# KiCad board VNA.kicad_pcb (continued)
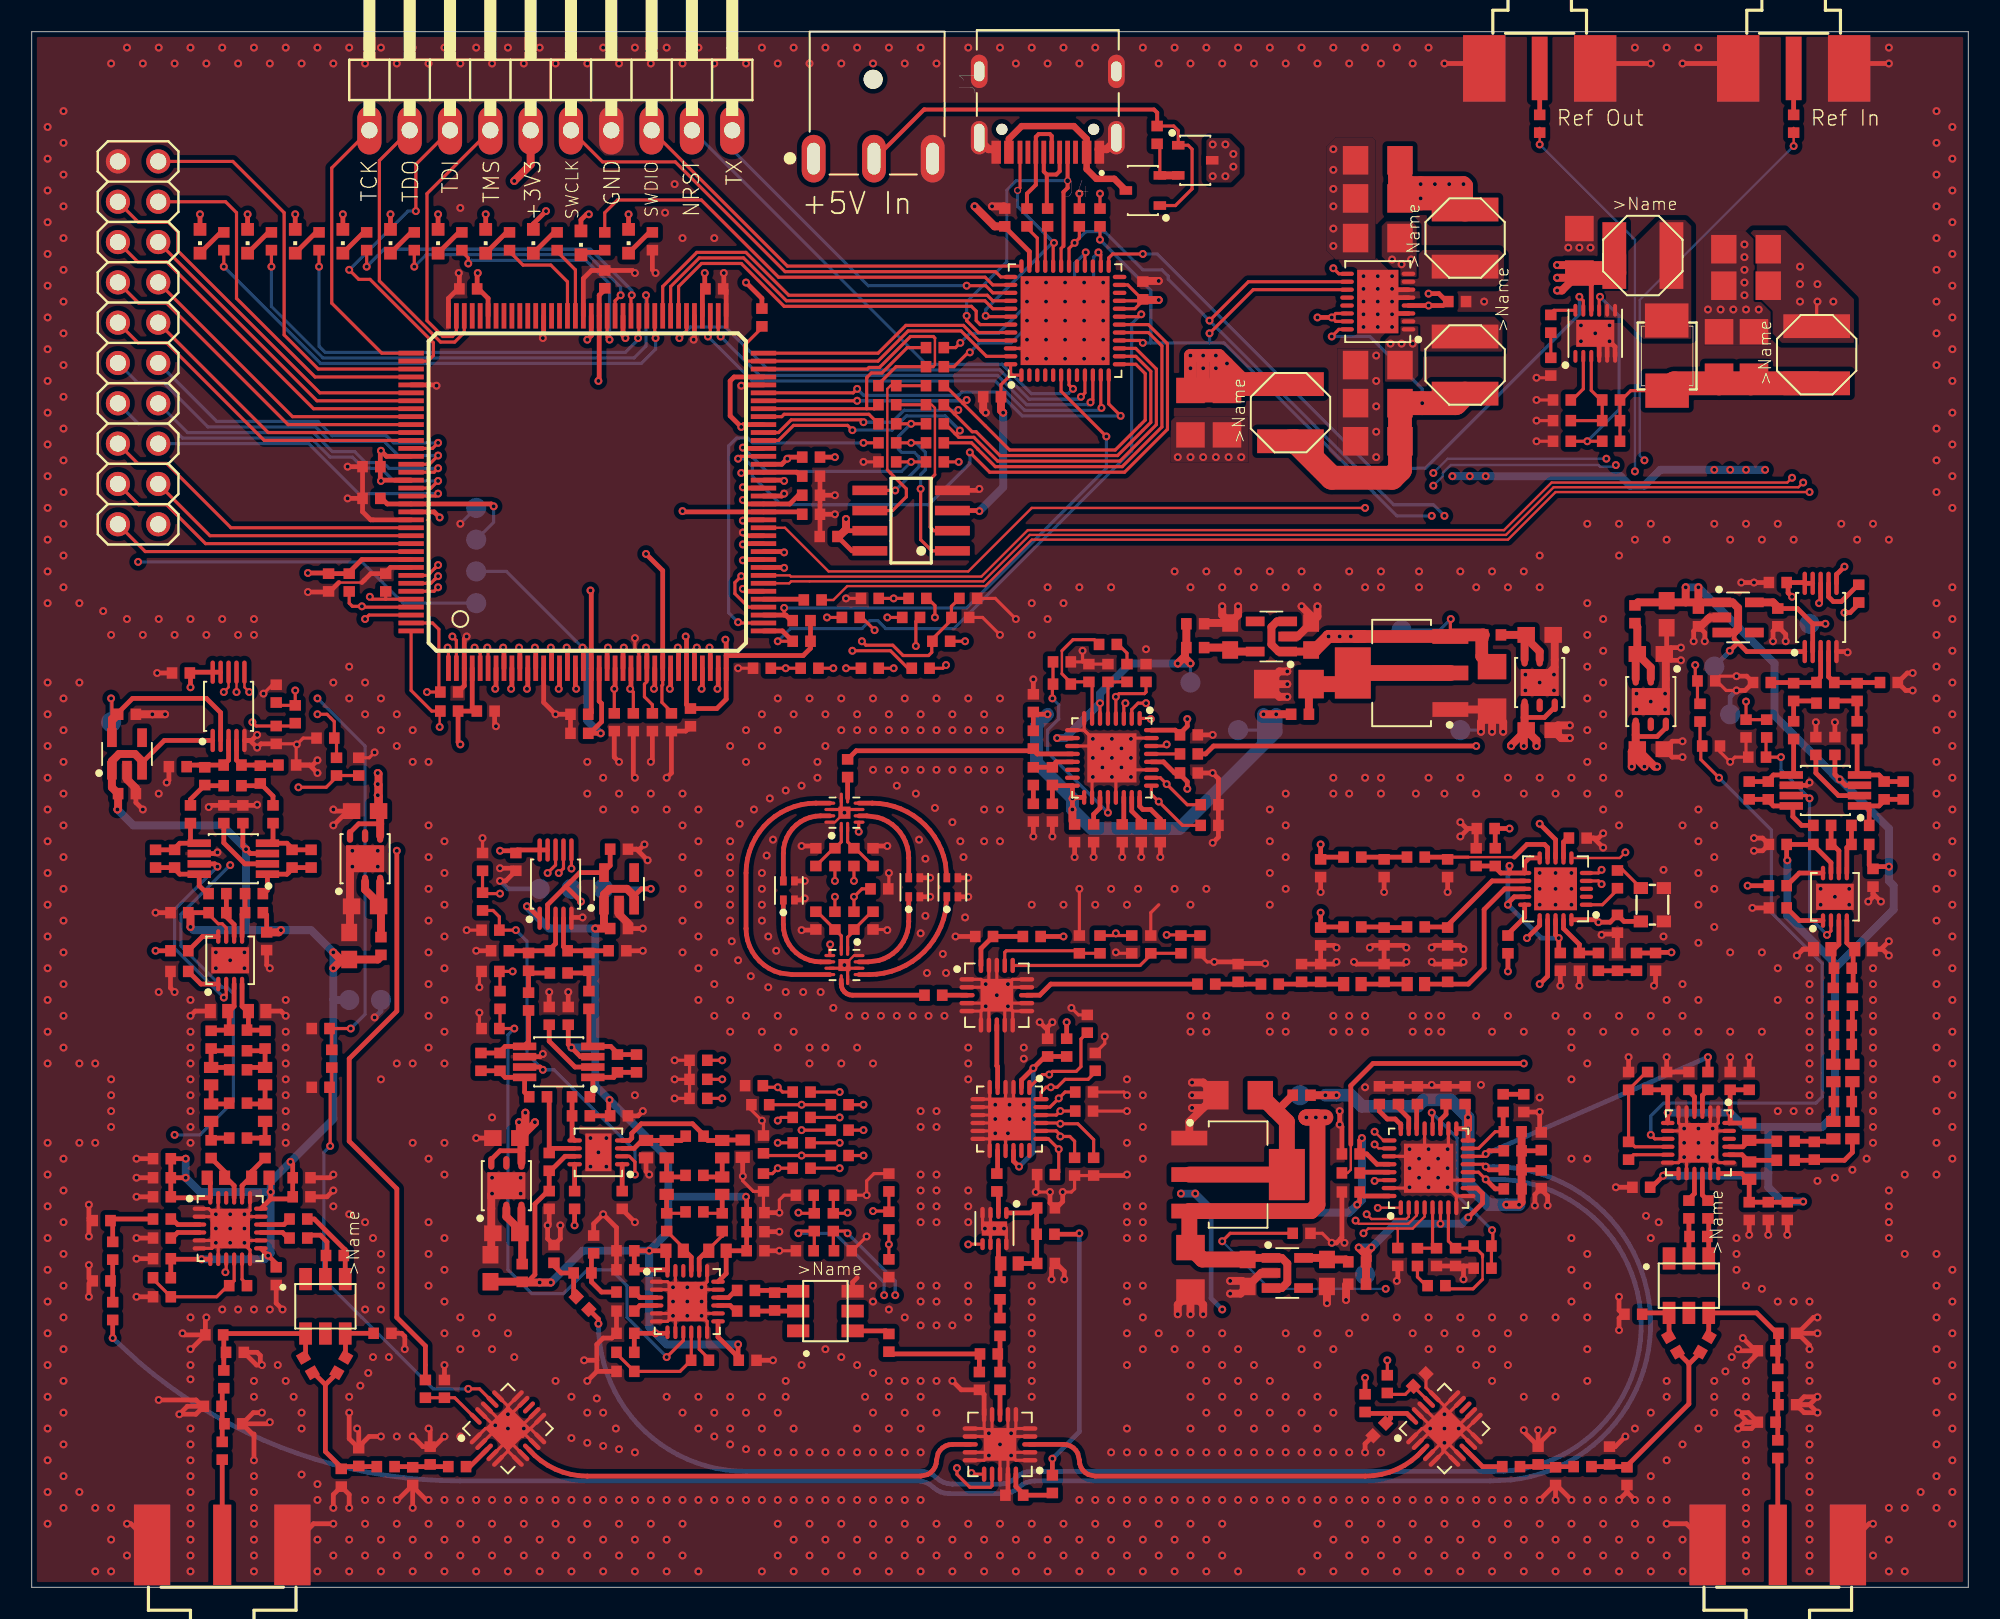
[diagram p0: board, top side]
## Routing (per net, layer and track width the routed paths; a pad name or vN(x,y) marks a point on that pad's centre or on a via; arc(x,y) is an arc through that point) (continued)
Net-(C81-Pad1): length 2.9
  1_top w0.5: IC20.5 81.5,20.75 C81.1 82.79,20.65 L29.1
Net-(C82-Pad1): length 13.4
  1_top w0.5: L28.1 78.54,30.1 78.3,30.1
  1_top w1: IC19.2 IC19.4 79.07,29.33 C82.1
Net-(C85-Pad1): length 36.6
  1_top w0.2: C85.1 90.3,30.35 90.49,30.16
  1_top w0.3: IC21.16 v1(90.49,28.9) 90.49,29 ; 90.49,29 v1(90.49,29.6) 90.49,30.16 ; 90.49,29 90.37,28.89 IC21.17 ; R33.2 R32.2 ; R33.2 R34.2 ; R33.2 95.06,26.3 C91.1 ; R34.2 R35.2 ; R34.2 95.06,27.5 C94.1
  1_top w0.5: L28.2 v1(81.5,31) v1(82.2,31) ; 90.49,29 v1(90.49,28.9) v1(90.49,29.6) ; R35.2 R34.2 R33.2 R32.2 93.86,24.26 v1(93.7,24.1) v1(92.9,24.1)
  4_bot w0.3: TP16.TP v1(81.5,31)
  4_bot w0.8: v1(81.5,31) v1(82.2,31) 83.1,31 83.8,30.3 87.3,30.3 87.7,30.7 89.39,30.7 v1(90.49,29.6) v1(90.49,28.9) 90.49,25.41 91.8,24.1 v1(92.9,24.1) v1(93.7,24.1)
Net-(C86-Pad1): length 16.9
  1_top w0.2: IC21.6 v1(88.75,22.9)
  1_top w0.3: IC21.10 91.05,25.15 91.4,24.8 91.4,24.2 v1(90.5,23.3)
  1_top w0.5: C86.1 L29.2 84.15,20.59 ; v1(83.6,21.4) 84.15,20.85 84.15,20.59 ; 84.15,20.59 84.15,21.15 v1(84.4,21.4)
  4_bot w0.3: TP15.TP 84,21.3 84.1,21.4
  4_bot w0.5: v1(90.5,23.3) 90.1,22.9 v1(88.75,22.9) 85.9,22.9 v1(84.4,21.4) v1(83.6,21.4)
Net-(C87-Pad1): length 2.4
  1_top w0.3: IC21.24 86.25,29.15 85.9,29.5 85.4,29.5 84.9,30 C87.1
Net-(C88-Pad1): length 1.7
  1_top w0.3: IC21.19 88.75,29.45 89.1,29.8 C88.1
Net-(C89-Pad1): length 1.8
  1_top w0.3: IC21.23 86.75,29.55 86.1,30.2 C89.1
Net-(C90-Pad1): length 8.9
  1_top w0.15: 91.4,19.4 91.4,20.8
  1_top w0.2: 91.4,19.4 90.8,18.8 89.35,18.8 89.15,19 C92.1 ; IC21.7 89.25,21.81 C90.1 90.7,21.36 R36.1 91.4,20.94 91.4,20.8
Net-(C92-Pad2): length 1.6
  1_top w0.2: R37.1 87.3,19.55 87.85,19 C92.2
Net-(C93-Pad1): length 1.3
  1_top w0.3: C93.1 R38.2
Net-(C93-Pad2): length 3.9
  1_top w0.2: IC21.15 91.15,27.65 92.2,28.7 R35.1 92.74,28.71 92.7,28.75
  1_top w0.3: 92.7,28.75 C93.2
Net-(C95-Pad2): length 12.5
  1_top w0.2: IC21.20 88.25,29.85 v1(88.2,29.9) ; C95.2 R36.2 92.05,21.59 92.05,22.45 v1(92,22.5)
  4_bot w0.2: v1(92,22.5) 91,23.5 91,23.51 90.71,23.8 90.7,23.8 89.8,24.7 89.8,28.3 v1(88.2,29.9)
Net-(C96-Pad2): length 3.6
  1_top w0.3: C96.2 25.1,7.6 ; 25.1,7.6 24.1,7.6 ; 25.1,7.6 R41.2 ; 24.1,7.6 R42.2 ; 24.1,7.6 24.04,7.6 R40.1
Net-(C97-Pad2): length 2.2
  1_top w0.3: C97.2 10.66,38 IC22.1
Net-(C98-Pad2): length 2.3
  1_top w0.3: C98.2 10.76,41 IC22.8
Net-(C99-Pad1): length 5.4
  1_top w0.3: J2.1 C99.1
Net-(C99-Pad2): length 3.6
  1_top w0.3: C99.2 12,10.3 ; 12,10.3 12,11.4 ; 12,10.3 R51.1 ; 12,11.4 12,12.45 12.09,12.54 R49.1 ; 12,11.4 R47.2
Net-(C100-Pad1): length 2.9
  1_top w0.3: IC22.6 12.75,41.75 12.26,42.24 R53.2 C100.1
Net-(C100-Pad2): length 4.5
  1_top w0.3: C112.1 R55.1 9,45.25 9.33,44.93 IC23.8 10.55,44.2 11.05,43.7 C100.2
Net-(C101-Pad1): length 2.8
  1_top w0.3: IC22.5 13.25,42.4 13.35,42.5 R54.2 C101.1
Net-(C101-Pad2): length 4.5
  1_top w0.2: C101.2 14.76,43.9 14.85,43.9
  1_top w0.3: C113.2 R56.2 16.4,45.25 16.18,45.03 ; 16.08,44.93 16.18,45.03 ; 16.08,44.93 IC23.1 14.85,43.9 ; 16.08,44.93 16.18,45.03
Net-(C107-Pad1): length 5.2
  1_top w0.3: C110.1 17.8,23.2 19.7,21.3 ; 19.75,21.25 19.7,21.3 ; 19.75,21.25 19.75,20.9 ; 19.75,21.25 19.7,21.3 ; T1.3 19.75,20.9 ; 19.75,20.9 C107.1
Net-(C107-Pad2): length 3.9
  1_top w0.3: T1.2 18.5,20.85 18.54,20.89 ; C107.2 18.54,20.89 ; C107.2 18.54,20.89 ; C107.2 18.54,20.99 18.6,21.05 18.6,21.76 18.18,22.18 17.63,22.18 17.45,22 C109.1
Net-(C109-Pad2): length 2
  1_top w0.3: IC24.15 15.8,22.35 16.15,22 C109.2
Net-(C110-Pad2): length 2
  1_top w0.3: C110.2 15.89,22.85 IC24.16
Net-(C112-Pad2): length 4.2
  1_top w0.3: C112.2 R55.2 9,46.55 9.33,46.88 10,46.88 ; IC23.5 10,46.88 ; 10,46.88 R58.2
Net-(C113-Pad1): length 4.3
  1_top w0.3: C113.1 R56.1 16.4,46.55 16.08,46.88 15,46.88 ; IC23.4 15,46.88 ; 15,46.88 15.2,47.08 R59.2
Net-(C114-Pad1): length 4.1
  1_top w0.3: C114.1 5.15,23.2 5.05,23.1 R169.1 5.1,22.96 R168.1
Net-(C114-Pad2): length 2
  1_top w0.3: IC24.3 9.2,22.85 8.85,23.2 C114.2
Net-(C116-Pad1): length 4.5
  1_top w0.3: IC23.2 13.43,45.58 12.1,46.9 C116.1
Net-(C117-Pad1): length 2
  1_top w0.3: IC24.4 9.2,22.35 8.85,22 C117.1
Net-(C118-Pad2): length 7.5
  1_top w0.2: R60.2 7.64,19.42 C118.2 11.65,18.3 12.35,19 ; 12.35,19 R57.1 ; 12.35,19 R57.1 ; R57.1 12.75,19.31 IC24.10
Net-(C120-Pad1): length 3.2
  1_top w0.3: 13.25,24.53 13.25,25.3 13.75,25.8 L32.2 13.85,26.19 C120.1
Net-(C120-Pad2): length 2.3
  1_top w0.3: C120.2 14.7,28.3 ; 14.7,28.3 L34.1 ; 14.7,28.3 C124.1
Net-(C121-Pad1): length 2.9
  1_top w0.3: C121.1 10.94,50.5 R61.2 10,49.64 R58.1
Net-(C121-Pad2): length 3
  1_top w0.3: C121.2 14.35,50.5 14.4,50.55 R62.2 15.2,49.84 R59.1
Net-(C123-Pad1): length 3.2
  1_top w0.3: 12.75,24.53 12.75,25.3 12.25,25.8 ; 12.25,25.8 L33.2 ; 12.25,25.8 12.25,26.09 C123.1
Net-(C123-Pad2): length 2.4
  1_top w0.2: C123.2 11.35,28.21 11.35,28.3
  1_top w0.3: C123.2 L35.1 ; 11.35,28.3 C124.2
Net-(C125-Pad2): length 4.2
  1_top w0.3: 10.9,51.8 C126.1 12.4,52.11 IC26.3 ; 10.9,51.8 9.95,51.8 9.85,51.7 C125.2 ; 10.9,51.8 R61.1
Net-(C126-Pad2): length 4
  1_top w0.3: 14.4,51.8 C126.2 12.9,52.11 IC26.4 ; 14.4,51.8 C127.1 ; 14.4,51.8 R62.1
Net-(C128-Pad1): length 2.4
  1_top w0.2: C128.1 13.75,30.5 13.8,30.45
  1_top w0.3: L36.1 L34.2 13.8,30.45
Net-(C128-Pad2): length 2.4
  1_top w0.2: C128.2 12.39,30.55 12.3,30.55
  1_top w0.3: L37.1 L35.2 12.2,30.45 12.3,30.55
Net-(C130-Pad1): length 3.6
  1_top w0.2: C130.1 13.65,32.6 13.8,32.75
  1_top w0.3: 13.8,32.75 L36.2 R64.2 14.56,33.8 R63.2
Net-(C130-Pad2): length 3.6
  1_top w0.2: C130.2 12.35,32.6 12.2,32.75 ; R65.2 11.3,33.85 11.35,33.8
  1_top w0.3: R65.2 L37.2 12.2,32.75 ; 11.35,33.8 R63.1
Net-(C131-Pad1): length 14.7
  1_top w0.2: IC25.5 5.05,55.95 v1(5,56)
  1_top w0.3: IC26.2 11.9,55.1 11,56 6.35,56 5.44,55.09 C131.1
  1_top w0.5: IC25.5 5.05,54.7 5.14,54.7 C131.1
  4_bot w0.2: v1(5,56) TP17.TP
Net-(C133-Pad2): length 3.6
  1_top w0.3: C133.2 94.9,7.6 ; 94.9,7.6 95.9,7.6 ; 94.9,7.6 R67.1 ; 95.9,7.6 R69.2 ; 95.9,7.6 95.94,7.56 R68.2
Net-(C134-Pad2): length 2.6
  1_top w0.3: C134.2 111.36,42 IC27.1
Net-(C135-Pad2): length 2.6
  1_top w0.3: C135.2 111.36,45 IC27.8
Net-(C136-Pad1): length 5.5
  1_top w0.3: J3.1 C136.1
Net-(C136-Pad2): length 3.6
  1_top w0.3: C136.2 110,10.4 ; 110,10.4 110,11.4 ; 110,10.4 R74.2 ; 110,11.4 R77.1 ; 110,11.4 110.04,11.44 R78.1
Net-(C137-Pad1): length 3.3
  1_top w0.3: IC27.6 113.85,46.4 113.45,46.8 R80.2 C137.1
Net-(C137-Pad2): length 5.1
  1_top w0.3: R82.1 C149.1 109.4,49.55 109.73,49.23 IC28.8 110.95,49.13 110.95,48.55 111.5,48 C137.2
Net-(C138-Pad1): length 3.2
  1_top w0.3: IC27.5 114.35,46.6 114.55,46.8 R81.2 C138.1
Net-(C138-Pad2): length 5.2
  1_top w0.3: IC28.1 115.7,49.23 ; IC28.1 115.7,49.23 ; IC28.1 115.52,49.23 115.76,48.98 C138.2 ; 115.7,49.23 116.38,49.23 116.7,49.55 R83.2 C150.2
Net-(C144-Pad1): length 2.6
  1_top w0.3: T2.3 105.65,22.1 ; 105.65,22.1 105.65,23.1 105.6,23.15 C147.1 ; 105.65,22.1 C144.1
Net-(C144-Pad2): length 2.6
  1_top w0.3: T2.2 104.4,22.1 ; 104.4,22.1 C146.1 ; 104.4,22.1 C144.2
Net-(C146-Pad2): length 1.9
  1_top w0.3: IC29.15 104.75,24.8 104.4,24.45 C146.2
Net-(C147-Pad2): length 1.9
  1_top w0.3: C147.2 105.25,24.71 IC29.16
Net-(C149-Pad2): length 5.2
  1_top w0.3: R82.2 C149.2 109.4,50.85 109.73,51.18 IC28.5 111,51.32 R85.2
Net-(C150-Pad1): length 5.3
  1_top w0.3: C150.1 R83.1 116.7,50.85 116.38,51.18 IC28.4 115,51.32 R86.2
Net-(C151-Pad2): length 1.6
  1_top w0.3: C151.2 105.25,30.99 IC29.3
Net-(C153-Pad1): length 4.5
  1_top w0.3: IC28.2 113.83,49.88 112.4,51.3 C153.1
Net-(C154-Pad1): length 1.6
  1_top w0.3: IC29.4 104.75,30.9 104.4,31.25 C154.1
Net-(C155-Pad2): length 7.6
  1_top w0.2: IC29.10 101,27.75 100.65,28.1 100.6,28.1 ; R84.1 100.6,28.1 ; 100.6,28.1 C155.2 101.72,32.46 R87.2
Net-(C157-Pad1): length 3.2
  1_top w0.3: IC29.20 107.75,27.25 L40.2 108.3,26.9 C157.1
Net-(C157-Pad2): length 4.7
  1_top w0.3: C157.2 112.3,26.9 ; 112.3,26.9 114.2,26.9 114.7,27.4 L42.1 ; 112.3,26.9 C161.1
Net-(C158-Pad1): length 2.8
  1_top w0.3: R85.1 R88.2 112.3,55.84 C158.1
Net-(C158-Pad2): length 2.8
  1_top w0.3: R86.1 R89.2 113.7,55.84 C158.2
Net-(C160-Pad1): length 3.4
  1_top w0.3: IC29.21 107.8,27.75 108.12,28.08 ; 108.12,28.08 L41.2 ; 108.12,28.08 108.15,28.1 109.8,28.1 ; 109.8,28.1 C160.1 109.8,28.1
Net-(C160-Pad2): length 2.6
  1_top w0.3: C160.2 112.3,28.1 ; 112.3,28.1 113.45,28.1 113.45,28.2 L43.1 ; 112.3,28.1 C161.2
Net-(C162-Pad2): length 5
  1_top w0.3: C162.2 111,57 ; 111,57 C163.1 112.44,57.09 112.7,57.35 IC31.3 ; 111,57 R88.1
Net-(C163-Pad2): length 5
  1_top w0.3: 115,57 C163.2 113.2,57.36 IC31.4 ; 115,57 C164.1 ; 115,57 R89.1
Net-(C165-Pad1): length 2.5
  1_top w0.3: L42.2 114.7,30.6 ; 114.7,30.6 L44.1 ; 114.7,30.6 C165.1
Net-(C165-Pad2): length 2.6
  1_top w0.3: L43.2 113.5,30.5 ; 113.5,30.5 L45.1 ; 113.5,30.5 113.5,30.56 C165.2
Net-(C167-Pad1): length 3.8
  1_top w0.3: L44.2 114.7,34.2 ; 114.7,34.2 114.7,35.4 ; 114.7,34.2 C167.1 ; 114.7,35.4 R91.2 ; 114.7,35.4 R90.2
Net-(C167-Pad2): length 3.8
  1_top w0.3: L45.2 113.5,34.2 ; 113.5,34.2 113.5,35.4 ; 113.5,34.2 C167.2 ; 113.5,35.4 R92.2 ; 113.5,35.4 R90.1
Net-(C168-Pad1): length 7.8
  1_top w0.3: IC31.2 112.2,60.7 ; 112.2,60.7 v1(113,60.7) ; 112.2,60.7 111.24,61.66 C168.1
  1_top w0.5: IC30.5 109.7,62.05 110,61.75 C168.1
  4_bot w0.3: TP18.TP v1(113,60.7)
Net-(C170-Pad2): length 2.4
  1_top w0.3: T3.6 53.81,16.15 C170.2
Net-(C173-Pad1): length 4.3
  1_top w0.3: C173.1 R94.1 29.5,32.45 29.83,32.12 IC32.8 31.05,31.19 C202.2
Net-(C173-Pad2): length 5.4
  1_top w0.3: IC32.5 31,34.08 ; 31,34.08 29.83,34.08 29.5,33.75 R94.2 C173.2 ; 31,34.08 31.3,34.38 R96.2
Net-(C174-Pad1): length 5.5
  1_top w0.3: C174.1 R95.1 36.9,33.65 36.48,34.08 IC32.4 35.25,34.08 35.1,34.23 R97.2
Net-(C174-Pad2): length 4.3
  1_top w0.3: C174.2 R95.2 36.68,32.22 36.68,32.12 IC32.1 35.35,31 35.26,31 C203.2
Net-(C176-Pad1): length 2.9
  1_top w0.3: T3.3 48.23,18.7 46.8,18.7 ; 46.8,18.7 C179.1 ; 46.8,18.7 C176.1
Net-(C176-Pad2): length 2.8
  1_top w0.3: T3.2 46.8,17.4 ; 46.8,17.4 C178.1 ; 46.8,17.4 C176.2
Net-(C178-Pad2): length 1.4
  1_top w0.3: IC33.15 44,17.75 44.35,17.4 C178.2
Net-(C179-Pad2): length 1.4
  1_top w0.3: IC33.16 43.9,18.25 44.35,18.7 C179.2
Net-(C182-Pad1): length 4.5
  1_top w0.3: IC32.2 34.23,32.78 32.6,34.4 C182.1
Net-(C183-Pad1): length 3.7
  1_top w0.3: C183.1 35.9,18.6 35.26,19.24 R173.1 35.26,20.9 R174.1
Net-(C183-Pad2): length 1.6
  1_top w0.3: C183.2 38.31,18.25 IC33.3
Net-(C184-Pad1): length 3.1
  1_top w0.3: R96.1 31.3,38.7 ; 31.3,38.7 R98.2 ; 31.3,38.7 R98.2 ; 31.3,38.7 R98.2 ; R98.2 31.35,38.79 31.35,38.7 C184.1
Net-(C184-Pad2): length 2.7
  1_top w0.3: R97.1 R99.2 35.05,38.79 35.05,38.7 C184.2
Net-(C185-Pad1): length 1.6
  1_top w0.3: C185.1 38.31,17.75 IC33.4
Net-(C186-Pad2): length 7.3
  1_top w0.2: IC33.10 41.55,14.31 R100.1 40.84,13.6 C186.2 36.85,14.71 36.85,14.8 R101.2
Net-(C187-Pad2): length 4.9
  1_top w0.3: C187.2 31.3,40.1 ; 31.3,40.1 C188.1 32.64,40.19 33,40.55 IC35.3 ; 31.3,40.1 R98.1
Net-(C188-Pad2): length 4.9
  1_top w0.3: 35.1,40.1 C188.2 33.5,40.36 IC35.4 ; 35.1,40.1 C189.1 ; 35.1,40.1 R99.1
Net-(C191-Pad1): length 3.2
  1_top w0.2: L46.2 42.65,21.3 43.5,22.15
  1_top w0.3: 42.05,19.93 42.05,20.7 42.55,21.2 L46.2 ; 43.5,22.15 C191.1
Net-(C191-Pad2): length 2.4
  1_top w0.2: C191.2 42.4,23.56 C194.1
  1_top w0.3: C191.2 L48.1
Net-(C192-Pad1): length 3.4
  1_top w0.2: 41.05,21.3 L47.2 41.05,21.39 C192.1
  1_top w0.3: 41.55,19.93 41.55,20.8 41.05,21.3 41.05,21.39
Net-(C192-Pad2): length 2.4
  1_top w0.2: C192.2 41.1,23.56 C194.2
  1_top w0.3: C192.2 L49.1
Net-(C196-Pad1): length 2.4
  1_top w0.3: L50.1 L48.2 42.5,25.85 42.4,25.95 C196.1
Net-(C196-Pad2): length 2.4
  1_top w0.3: L51.1 L49.2 41.09,25.85 C196.2
Net-(C197-Pad1): length 8.7
  1_top w0.3: L52.1 43.53,28.18 L50.2 42.59,28.15 C197.1 42.32,28.51 41.63,29.2 38.4,29.2 37.8,28.6 37.8,28.3 37.65,28.15 IC36.4
Net-(C197-Pad2): length 4.5
  1_top w0.3: L53.1 38.9,28.15 ; 38.9,28.15 L51.2 40.93,28.15 C197.2 ; 38.9,28.15 38.45,28.15 37.95,27.65 IC36.3
Net-(C198-Pad1): length 9.3
  1_top w0.3: IC35.2 32.5,43 33.65,44.15 ; 36,45.02 34.52,45.02 33.65,44.15 ; 36,45.02 IC34.5 ; 36,45.02 36.44,45.46 C198.1 ; 33.65,44.15 v1(34.6,43.2)
  4_bot w0.3: TP19.TP 34,43.8 v1(34.6,43.2)
Net-(C199-Pad2): length 1.7
  1_top w0.3: IC36.1 37.2,25.05 37.2,25.05 C199.2
Net-(C200-Pad2): length 1.7
  1_top w0.3: IC36.8 34.2,26.65 C200.2
Net-(C202-Pad1): length 5.4
  1_top w0.3: IC36.6 32.8,27.65 32.8,27.56 R102.2 32.6,30.76 C202.1
Net-(C203-Pad1): length 2.8
  1_top w0.3: C203.1 R103.2 34.04,28.31 IC36.5
Net-(C223-Pad1): length 24.9
  1_top w0.2: U2.P143 25.25,60.75 25.65,60.35 25.65,56.49 R133.2 v1(24.9,56.4) ; C223.1 R143.2 28.46,43.7 v1(29.5,43.7)
  3_pwr w0.15: v1(29.5,43.7) 30.6,44.8 30.6,47.65 29.18,49.08 29.18,52.35 25.13,56.4 v1(24.9,56.4)
Net-(C225-Pad1): length 28.7
  1_top w0.15: 25.7,55.15 v1(25.7,54.2)
  1_top w0.2: R132.1 25.2,55.2 23.9,56.5 U2.P144 ; 29.5,38.75 R144.1 ; C225.1 v1(30.3,38.8)
  1_top w0.3: C225.1 29.5,38.76 29.5,38.75 ; R132.1 25.74,55.19 25.7,55.15
  3_pwr w0.15: v1(30.3,38.8) 30.3,40.4 29,41.7 29,45.5 29.3,45.8 30,45.8 30.3,46.1 30.3,47.53 28.88,48.95 28.88,52.23 26.9,54.2 25.7,54.2 v1(25.7,54.2)
Net-(C227-Pad1): length 13.7
  1_top w0.2: v1(16.6,56.5) R145.2 15.58,55.56 C227.1 ; U2.P140 22.3,62.25 ; 22.3,62.25 21.45,62.25 v1(21.3,62.4) ; 22.3,62.25 R131.2
  3_pwr w0.2: v1(16.6,56.5) 16.6,58.5 20.5,62.4 v1(21.3,62.4)
Net-(C229-Pad1): length 17
  1_top w0.2: 19.2,53.45 R146.1 ; v1(18,55) 18.6,55 19.06,54.54 C229.1 ; U2.P141 20.85,61.75 v1(20.8,61.8) 20.2,61.8 20,62 R130.1
  1_top w0.3: C229.1 19.15,53.5 19.2,53.45
  3_pwr w0.2: v1(18,55) 17.3,55.7 17.3,58.4 20.7,61.8 v1(20.8,61.8)
Net-(C232-Pad1): length 83.7
  1_top w0.2: R147.1 C232.1 v1(108,55.8)
  1_top w0.3: v1(44.7,70.2) 44.75,70.25 U2.P57 48.2,70.25 48.45,70 R122.2
  3_pwr w0.15: v1(108,55.8) 108,62 106.9,63.1 106.9,65.4 102.2,70.1 102.2,71.17 101.77,71.6 99.7,71.6 v1(99.2,71.1) ; v1(44.7,70.2) 46.2,71.7 49.1,71.7 50.6,70.2 v1(88.3,70.2)
  4_bot w0.15: v1(88.3,70.2) 89.2,71.1 v1(99.2,71.1)
Net-(C234-Pad1): length 74.7
  1_top w0.2: 104.8,57.15 v1(104.8,58.1) ; R148.2 104.94,55.82 C234.1
  1_top w0.3: U2.P58 47.25,70.75 v1(47.6,71.1) 47.7,71.2 R121.1 ; C234.1 104.85,57.1 104.8,57.15
  3_pwr w0.15: v1(104.8,58.1) 105.9,59.2 105.9,64.55 100.95,69.5 100.58,69.5 99.8,70.28 v1(99.8,70.7) ; v1(47.6,71.1) 48.9,69.8 87.9,69.8 v1(88.3,69.4)
  4_bot w0.15: v1(88.3,69.4) 88.9,70 88.9,70.2 89.4,70.7 98.7,70.7 98.8,70.6 99.7,70.6 v1(99.8,70.7)
Net-(C236-Pad1): length 3.3
  1_top w0.2: R149.1 85.49,12.15 86.53,12.15 C236.1 IC17.17
Net-(C238-Pad1): length 26.9
  1_top w0.2: IC16.17 60.5,6.4 60.4,6.3 59.1,6.3 58.29,7.11 v1(58.29,7.51) ; v1(48.3,22.3) 48.44,22.44 R150.1 49.3,21.24 C238.1
  3_pwr w0.15: v1(58.29,7.51) 56.5,9.3 55.7,9.3 54.5,10.5 54.5,14.9 53.5,15.9 53.5,18.2 v1(53.7,18.4)
  4_bot w0.2: v1(48.3,22.3) 50.6,22.3 53.7,19.2 v1(53.7,18.4)
Net-(C240-Pad1): length 21.4
  1_top w0.2: IC16.16 59.28,7.12 v1(59.2,7.2) ; v1(51.4,22.3) 51.26,22.44 R151.1 50.5,21.24 C240.1
  3_pwr w0.15: v1(59.2,7.2) 59.2,7.6 55.5,11.3 55.5,15.4 54.5,16.4 54.5,18.3 v1(54.4,18.4)
  4_bot w0.2: v1(51.4,22.3) 54.4,19.3 v1(54.4,18.4)
Net-(C242-Pad1): length 27.4
  1_top w0.2: IC18.17 28.21,12.5 v1(27.5,12.5) ; R152.1 18.9,31.64 C242.1 18.8,31.46 v1(18.8,27.8)
  4_bot w0.2: v1(27.5,12.5) 25.29,12.5 23,14.79 23,14.8 20.8,17 20.79,17 18.4,19.39 18.4,27.4 v1(18.8,27.8)
Net-(C244-Pad1): length 7.8
  1_top w0.2: C244.1 v1(54,21.6) R153.1 ; IC15.5 59.02,21.62 v1(59,21.6)
  3_pwr w0.15: v1(54,21.6) v1(59,21.6)
Net-(C246-Pad1): length 6.9
  1_top w0.2: IC13.17 61.3,40 61.4,40.1 65.84,40.1 C246.1 R154.1
Net-(C248-Pad1): length 11
  1_top w0.2: IC13.16 69.83,39.18 70.5,39.85 C248.1 R155.1
Net-(C250-Pad1): length 22.2
  1_top w0.2: IC14.1 63.67,32.3 v1(64.1,32.3) 64.3,32.5 65.8,32.5 66.1,32.8 66.1,34.54 C250.1 ; R156.1 v1(50.9,31.2)
  3_pwr w0.15: v1(50.9,31.2) 53.8,31.2 54.5,30.5 58.8,30.5 60.2,31.9 63.7,31.9 v1(64.1,32.3)
Net-(C252-Pad1): length 18.5
  1_top w0.2: IC14.24 63.58,31.18 63.9,31.5 v1(64.2,31.5) 64.6,31.5 65.1,32 66.55,32 67,32.45 C252.1 ; R157.1 v1(52.4,30.4)
  3_pwr w0.15: v1(52.4,30.4) 54.18,30.4 55.1,29.48 58.2,29.48 60.32,31.6 64.1,31.6 v1(64.2,31.5)
Net-(C254-Pad1): length 20.1
  1_top w0.2: IC14.23 64.15,30.25 v1(64.7,30.8) 65.1,31.2 C254.1 ; R158.1 v1(50.9,29.6)
  3_pwr w0.15: v1(50.9,29.6) 54.5,29.6 55.7,28.4 57.55,28.4 60.45,31.3 63,31.3 63.5,30.8 v1(64.7,30.8)
Net-(C256-Pad1): length 17.5
  1_top w0.2: IC14.22 64.55,29.75 v1(64.8,30) C256.1 ; R159.1 v1(52.4,28.8)
  3_pwr w0.15: v1(52.4,28.8) 54.88,28.8 55.58,28.1 57.67,28.1 60.57,31 62.8,31 63.8,30 v1(64.8,30)
Net-(C257-Pad1): length 19.3
  1_top w0.2: IC14.19 64.05,28.25 v1(64.7,27.6) 64.7,26.15 64.61,26.15 C257.1 ; R160.2 v1(50.9,26.4)
  3_pwr w0.15: v1(50.9,26.4) 52.4,26.4 53.2,27.2 64.3,27.2 v1(64.7,27.6)
Net-(C259-Pad1): length 17.3
  1_top w0.2: IC14.20 64.54,28.75 64.8,28.49 v1(64.8,28.4) 65.4,28.4 65.7,28.1 C259.1 ; R161.2 v1(52.4,27.2)
  3_pwr w0.15: v1(52.4,27.2) 52.7,27.5 61.72,27.5 62.62,28.4 v1(64.8,28.4)
Net-(C261-Pad1): length 21.3
  1_top w0.2: IC14.21 64.75,29.25 v1(64.8,29.2) 65.9,29.2 66.9,28.2 C261.1 ; R162.2 v1(50.9,28)
  3_pwr w0.15: v1(50.9,28) 51.1,27.8 61.6,27.8 63,29.2 v1(64.8,29.2)
Net-(C268-Pad1): length 15.9
  1_top w0.2: IC10.4 v1(68.3,56.1) 68.5,56.3 70.1,56.3 70.2,56.4 C268.1 ; R163.1 v1(58.8,59.6)
  3_pwr w0.15: v1(58.8,59.6) 59.6,59.6 62.5,56.7 67.7,56.7 v1(68.3,56.1)
Net-(C269-Pad2): length 2.9
  1_top w0.2: R172.1 5,19.3 5.1,19.2
  1_top w0.3: C269.2 R168.2
Net-(C270-Pad2): length 3.2
  1_top w0.3: C270.2 34.15,18.45 34.14,18.45 R173.2 33.35,19.8 32.9,20.25 R175.1
Net-(C272-Pad1): length 27.3
  1_top w0.2: IC10.26 71.1,51 v1(71.5,50.6) 72.8,49.3 C272.1 ; v1(56.9,61.1) 56.9,61.85 56.45,62.3 R165.1
  3_pwr w0.15: v1(71.5,50.6) 72,51.1 72,54.7 70.2,56.5 69.02,56.5 68.22,57.3 64.42,57.3 63.62,58.1 61.95,58.1 59.65,60.4 57.6,60.4 v1(56.9,61.1)
Net-(C274-Pad1): length 29.8
  1_top w0.2: IC10.25 70.54,49.96 v1(71,49.5) 72.5,48 C274.1 ; R166.1 v1(50.5,57.9)
  3_pwr w0.15: v1(50.5,57.9) 51,58.4 51.6,58.4 53.5,56.5 59.4,56.5 65.2,50.7 65.4,50.7 66.6,49.5 v1(71,49.5)
Net-(IC1-Pad9): length 13.3
  1_top w0.2: 98.75,80.45 98.75,81.25 v1(98.8,81.3) ; R3.2 v1(98,72.2) R2.1
  4_bot w0.2: v1(98,72.2) 100,74.2 100,80.1 v1(98.8,81.3)
Net-(IC1-Pad12): length 1.7
  1_top w0.2: 97.25,80.45 95.9,80.45 95.9,80.36 R1.2
Net-(IC7-Pad7): length 1.4
  1_top w0.3: IC7.7 96.5,46.95 96.75,47.2 R6.2
Net-(IC10-Pad1): length 22
  1_top w0.2: IC10.1 70.46,54.74 v1(70.5,54.7) ; v1(53.1,60.3) 52.3,61.1 R164.1
  3_pwr w0.15: v1(53.1,60.3) 56.3,57.1 60.57,57.1 63.37,54.3 70.1,54.3 v1(70.5,54.7)
Net-(IC10-Pad2): length 20.2
  1_top w0.2: IC10.2 69.3,55.3 69.7,55.7 v1(70.2,55.7) ; R170.1 55.7,60.84 v1(55.7,59.3)
  3_pwr w0.15: v1(70.2,55.7) 69.7,56.2 68.9,56.2 68.1,57 64.3,57 63.5,57.8 61.82,57.8 59.52,60.1 58.5,60.1 57.7,59.3 v1(55.7,59.3)
Net-(IC10-Pad3): length 14.8
  1_top w0.2: IC10.3 68.8,55.6 v1(68.9,55.7) ; R171.1 57.4,57.9 v1(57.6,58.1)
  3_pwr w0.15: v1(57.6,58.1) 60,58.1 62.6,55.5 64.4,55.5 64.7,55.2 68.4,55.2 v1(68.9,55.7)
Net-(IC10-Pad5): length 3.5
  1_top w0.2: IC10.5 R17.1 R16.2
Net-(IC10-Pad22): length 1.7
  1_top w0.3: IC10.22 68.8,48.25 68.7,48.15 R10.2
Net-(IC10-Pad30): length 21.1
  1_top w0.2: IC10.30 71.4,53 v1(71.5,53.1) ; R167.1 v1(54.3,57.9)
  3_pwr w0.15: v1(54.3,57.9) 55.4,56.8 59.52,56.8 62.32,54 69.5,54 70.4,53.1 v1(71.5,53.1)
Net-(IC11-Pad1): length 3.1
  1_top w0.2: R19.1 50.52,46.56 R20.1 51,46.96 IC11.1
Net-(IC11-Pad2): length 3.1
  1_top w0.2: R18.1 51.88,46.56 R21.1 51.4,46.96 IC11.2
Net-(IC11-Pad4): length 5.9
  1_top w0.3: LP2.4 55.25,45.95 55.23,46.3 55.16,46.64 55.05,46.96 54.89,47.28 54.7,47.56 54.47,47.82 54.21,48.05 53.92,48.24 53.61,48.4 53.29,48.51 52.6,48.6 IC11.4
Net-(IC11-Pad6): length 8.2
  1_top w0.3: IC11.6 52.95,49.4 53.41,49.38 53.87,49.31 54.31,49.2 54.75,49.04 55.17,48.84 55.56,48.61 55.93,48.33 56.27,48.02 56.58,47.68 56.86,47.31 57.09,46.92 57.29,46.5 57.45,46.06 57.56,45.62 LP3.4
Net-(IC11-Pad9): length 18.2
  1_top w0.3: IC11.9 49.4,49.4 48.94,49.38 48.49,49.3 48.04,49.18 47.61,49.02 47.2,48.81 46.81,48.56 46.46,48.27 46.13,47.94 45.84,47.59 45.59,47.2 45.38,46.79 45.22,46.36 45.1,45.91 45.02,45.46 45,45 45,41.5 45.02,41.12 45.1,40.75 45.22,40.39 45.39,40.05 45.6,39.73 45.85,39.45 46.13,39.2 46.45,38.99 46.79,38.82 47.15,38.7 47.9,38.6 IC12.6
Net-(IC11-Pad11): length 6
  1_top w0.3: LP1.4 47.35,46.25 47.37,46.58 47.45,46.91 47.56,47.23 47.72,47.52 47.92,47.79 48.16,48.03 48.43,48.23 48.72,48.39 49.04,48.5 49.37,48.58 49.7,48.6 IC11.11
Net-(IC12-Pad1): length 3.2
  1_top w0.2: IC12.1 51.4,40.95 51.8,41.35 R22.1 52.91,42.55 53,42.55 R23.1
Net-(IC12-Pad2): length 3.2
  1_top w0.2: R25.1 49.4,42.55 49.49,42.55 R24.1 51,41.04 IC12.2
Net-(IC12-Pad4): length 5.8
  1_top w0.3: LP1.1 47.35,41.75 47.37,41.42 47.45,41.09 47.56,40.77 47.72,40.48 47.92,40.21 48.16,39.97 48.43,39.77 48.72,39.61 49.04,39.5 49.37,39.42 49.7,39.4 IC12.4
Net-(IC12-Pad9): length 8.3
  1_top w0.3: IC12.9 52.75,38.6 53.23,38.62 53.71,38.69 54.17,38.81 54.62,38.97 55.06,39.18 55.47,39.43 55.86,39.71 56.21,40.04 56.54,40.39 56.82,40.78 57.07,41.19 57.28,41.63 57.44,42.08 57.56,42.54 LP3.1
Net-(IC12-Pad11): length 6.1
  1_top w0.3: LP2.1 55.25,41.95 55.23,41.62 55.16,41.29 55.06,40.97 54.91,40.68 54.72,40.4 54.5,40.15 54.25,39.93 53.98,39.74 53.68,39.59 53.36,39.49 52.7,39.4 IC12.11
Net-(IC13-Pad8): length 4
  1_top w0.3: IC14.5 60.85,32.8 60.8,32.85 IC13.8
Net-(IC16-Pad3): length 26.4
  1_top w0.3: IC16.3 65,9 65.22,8.97 65.43,8.9 65.62,8.78 65.78,8.62 65.9,8.43 66,8 66.03,7.78 66.1,7.57 66.22,7.38 66.38,7.22 66.57,7.1 67,7 84,7 84.52,7.03 85.03,7.11 85.53,7.25 86.02,7.44 86.48,7.68 86.91,7.97 87.31,8.3 IC17.3
Net-(IC16-Pad8): length 1.6
  1_top w0.3: R29.2 IC16.8
Net-(IC16-Pad13): length 29.4
  1_top w0.3: IC16.13 58,9 57.78,8.97 57.57,8.9 57.38,8.78 57.22,8.62 57.1,8.43 57,8 56.97,7.78 56.9,7.57 56.78,7.38 56.62,7.22 56.43,7.1 56,7 35,7 34.48,7.03 33.97,7.11 33.47,7.25 32.98,7.44 32.52,7.68 32.09,7.97 31.69,8.3 IC18.8
Net-(IC21-Pad5): length 3.9
  1_top w0.2: R37.2 R39.1 88.25,21.61 IC21.5
Net-(IC21-Pad22): length 1.6
  1_top w0.2: R30.2 87.3,30.35 87.25,30.3
  1_top w0.3: 87.25,30.3 IC21.22
Net-(IC22-Pad3): length 4.3
  1_top w0.3: IC22.3 12.75,36.6 12.45,36.3 L30.1 12.44,36.21 R66.2 11.34,35.1 R65.1
Net-(IC22-Pad4): length 4.3
  1_top w0.3: IC22.4 13.25,36.6 13.55,36.3 L31.1 13.65,36.3 13.65,35.19 R66.1 14.66,35.1 R64.1
Net-(IC24-Pad11): length 1.8
  1_top w0.2: IC24.11 13.25,19.4 13.56,19.09 R57.2
Net-(IC27-Pad3): length 4.6
  1_top w0.3: R92.1 113.5,39 ; 113.5,39 113.5,40.15 ; 113.5,39 R93.2 ; 113.5,40.15 113.85,40.5 IC27.3 ; 113.5,40.15 113.45,40.2 L38.1
Net-(IC27-Pad4): length 4.6
  1_top w0.3: IC27.4 114.35,40.6 114.75,40.2 ; 114.75,40.2 L39.1 ; 114.75,40.2 114.75,39.09 R93.1 114.75,38.91 114.75,37.81 R91.1
Net-(IC29-Pad11): length 2.6
  1_top w0.2: IC29.11 100.91,27.25 R84.2
Net-(IC33-Pad11): length 2
  1_top w0.2: IC33.11 42.05,15 42.66,14.39 R100.2
Net-(IC37-Pad31): length 23.8
  1_top w0.2: IC37.31 64.85,84.35 65,84.5 ; IC37.44 59.64,79.05 58.9,79.79 v1(58.9,80.1)
  1_top w0.254: 65,84.5 65,87.9 65.26,88.16 v2(65.26,88.61) 65.26,90.48
  4_bot w0.191: v1(58.9,80.1) 58.9,80.98 61.43,83.51 61.43,88.02 62.02,88.61 v2(65.26,88.61)
Net-(IC37-Pad32): length 17
  1_top w0.191: v2(62.11,88) 62.26,88.15 62.26,90.48
  1_top w0.2: IC37.32 64.35,84.65 v1(64.4,84.7) ; IC37.42 60.15,80.05 v1(60.1,80.1)
  4_bot w0.191: v2(62.11,88) 62.1,87.99 62.1,87
  4_bot w0.2: v1(64.4,84.7) 63.85,85.25 ; 63.85,85.25 64.35,84.75 60.1,80.5 v1(60.1,80.1) ; 63.85,85.25 62.1,87
Net-(IC37-Pad33): length 2.6
  1_top w0.2: R118.2 63.85,85.59 IC37.33
Net-(IC37-Pad34): length 2.8
  1_top w0.2: IC37.34 63.35,85 62.7,85.65 R119.1
Net-(IC37-Pad38): length 29.4
  1_top w0.2: IC37.38 60.54,82.05 60.06,82.53 47.05,82.53 42.18,87.4 36.9,87.4 36.1,86.6 R120.2
Net-(J1-Pad3): length 28.4
  1_top w0.2: Q1.1 72.05,87.05 73.1,88.1 73.1,90.6 72.85,90.85 Q2.1 72.23,91.77 71.94,92.06 R125.1
  1_top w0.254: 53.04,89.92 56.22,93.1 70.7,93.1 70.9,92.9 R125.1
Net-(J4-PadA6): length 6.8
  1_top w0.254: 64.26,90.48 64.26,91.43 64.14,91.55 63.44,91.55 63.26,91.37 63.26,88.36 62.7,87.8 62.7,86.86
Net-(J4-PadA7): length 5.9
  1_top w0.254: 64,86.86 63.95,86.91 63.95,89 ; 63.95,89 64.55,89 64.76,89.21 64.76,90.48 ; 63.95,89 63.76,89.19 63.76,90.48
Net-(JP2-Pad2): length 19.2
  1_top w0.2: U2.P134 7.15,65.25 JP2.2
Net-(JP2-Pad3): length 17.3
  1_top w0.2: U2.P132 11.23,66.25 JP2.3
Net-(JP2-Pad4): length 20
  1_top w0.2: U2.P133 10.95,65.75 8.5,68.2 6.74,68.2 JP2.4
Net-(JP2-Pad5): length 20.7
  1_top w0.2: U2.P127 25.45,68.75 v1(25.6,68.9)
  4_bot w0.2: v1(25.6,68.9) 20.6,68.9 17.45,72.05 JP2.5
Net-(JP2-Pad6): length 20.7
  1_top w0.2: U2.P131 12.55,66.75 8.5,70.8 6.68,70.8 JP2.6
Net-(JP2-Pad7): length 21.1
  1_top w0.2: U2.P124 25.35,70.25 v1(25.6,70.5)
  4_bot w0.2: JP2.7 9.81,72.75 17.74,72.75 18.94,71.55 20.34,71.55 21.04,70.85 22.14,70.85 22.49,70.5 v1(25.6,70.5)
